# Allegro board SDHCalFEB_old.brd (continued)
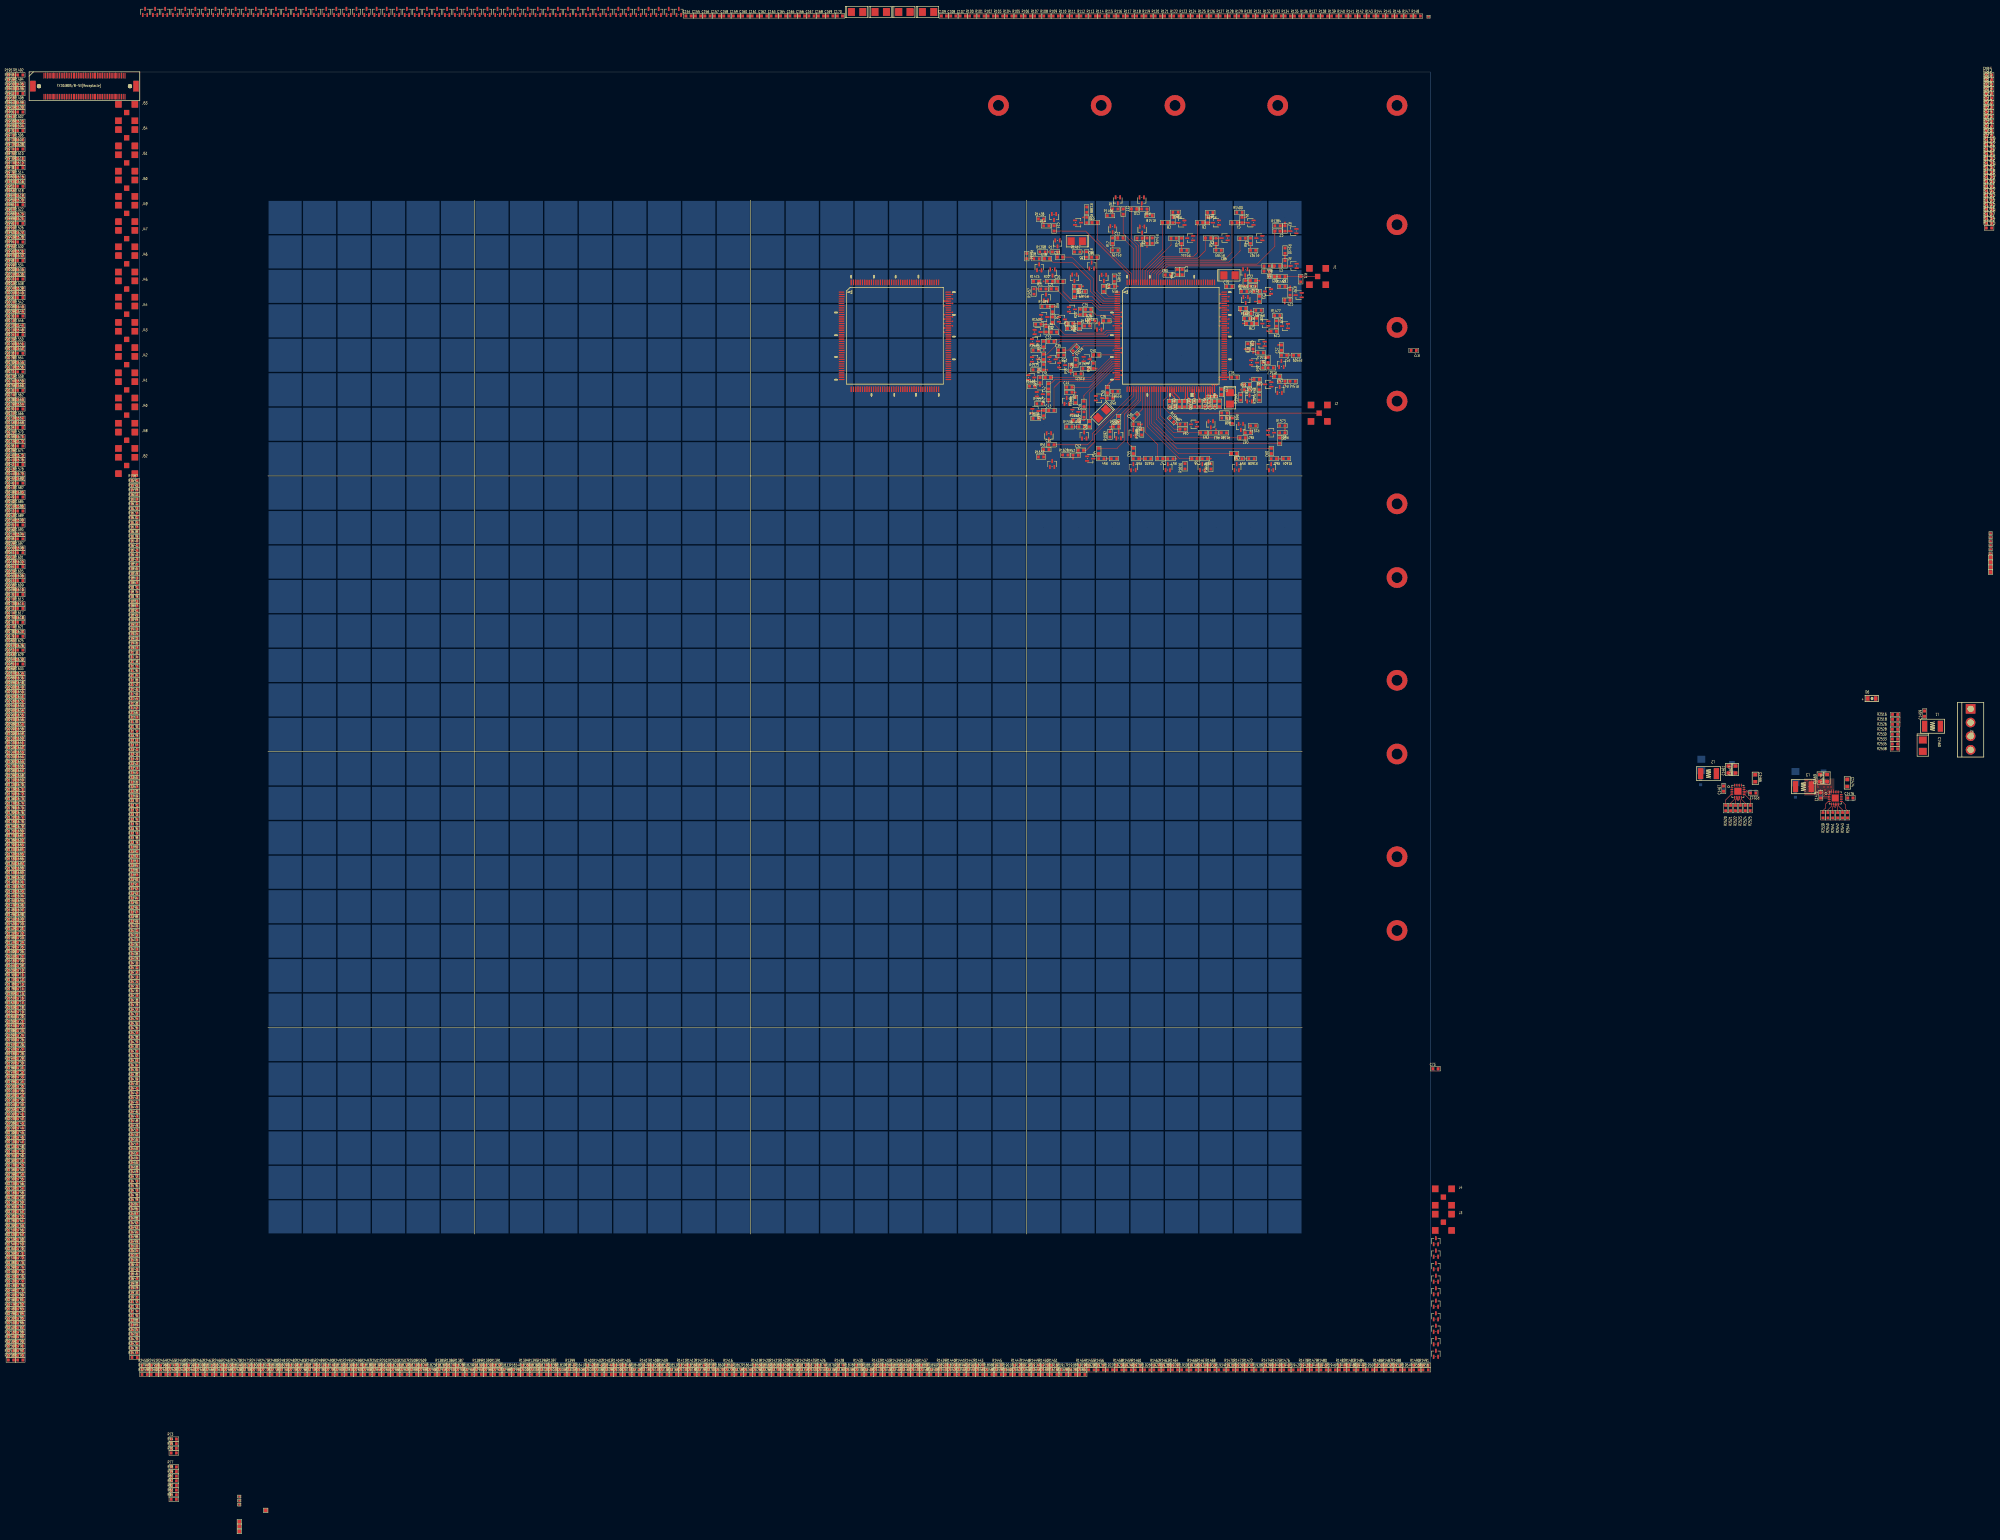
[diagram p0: board, top side]
## Placement (name value [footprint] x y rotation side) (continued)
R2256  1M  [SR0603]  -37.33 3.36 0 top
R2257  1M  [SR0603]  -37.33 2.01 0 top
R2258  1M  [SR0603]  -37.33 0.66 0 top
R2259  1M  [SR0603]  1.45 -3.53 0 top
R2260  1M  [SR0603]  4.14 -3.53 0 top
R2261  1M  [SR0603]  6.83 -3.53 0 top
R2262  1M  [SR0603]  9.53 -3.53 0 top
R2263  1M  [SR0603]  12.22 -3.53 0 top
R2264  1M  [SR0603]  14.91 -3.53 0 top
R2265  1M  [SR0603]  17.6 -3.53 0 top
R2266  1M  [SR0603]  20.29 -3.53 0 top
R2267  1M  [SR0603]  22.99 -3.53 0 top
R2268  1M  [SR0603]  25.68 -3.53 0 top
R2269  1M  [SR0603]  28.37 -3.53 0 top
R2270  1M  [SR0603]  31.06 -3.53 0 top
R2271  1M  [SR0603]  33.76 -3.53 0 top
R2272  1M  [SR0603]  36.45 -3.53 0 top
R2273  1M  [SR0603]  39.14 -3.53 0 top
R2274  1M  [SR0603]  41.83 -3.53 0 top
R2275  1M  [SR0603]  44.53 -3.53 0 top
R2276  1M  [SR0603]  47.22 -3.53 0 top
R2277  1M  [SR0603]  49.91 -3.53 0 top
R2278  1M  [SR0603]  52.6 -3.53 0 top
R2279  1M  [SR0603]  55.3 -3.53 0 top
R2280  1M  [SR0603]  57.99 -3.53 0 top
R2281  1M  [SR0603]  60.68 -3.53 0 top
R2282  1M  [SR0603]  63.37 -3.53 0 top
R2283  1M  [SR0603]  66.07 -3.53 0 top
R2284  1M  [SR0603]  68.76 -3.53 0 top
R2285  1M  [SR0603]  71.45 -3.53 0 top
R2286  1M  [SR0603]  74.14 -3.53 0 top
R2287  1M  [SR0603]  76.83 -3.53 0 top
R2288  1M  [SR0603]  79.53 -3.53 0 top
R2289  1M  [SR0603]  82.22 -3.53 0 top
R2290  1M  [SR0603]  84.91 -3.53 0 top
R2291  1M  [SR0603]  87.6 -3.53 0 top
R2292  1M  [SR0603]  90.3 -3.53 0 top
R2293  1M  [SR0603]  92.99 -3.53 0 top
R2294  1M  [SR0603]  95.68 -3.53 0 top
R2295  1M  [SR0603]  98.37 -3.53 0 top
R2296  1M  [SR0603]  101.07 -3.53 0 top
R2297  1M  [SR0603]  103.76 -3.53 0 top
R2298  1M  [SR0603]  106.45 -3.53 0 top
R2299  1M  [SR0603]  109.14 -3.53 0 top
R2300  1M  [SR0603]  111.84 -3.53 0 top
R2301  1M  [SR0603]  114.53 -3.53 0 top
R2302  1M  [SR0603]  117.22 -3.53 0 top
R2303  1M  [SR0603]  119.91 -3.53 0 top
R2304  1M  [SR0603]  122.61 -3.53 0 top
R2305  1M  [SR0603]  125.3 -3.53 0 top
R2306  1M  [SR0603]  127.99 -3.53 0 top
R2307  1M  [SR0603]  130.68 -3.53 0 top
R2308  1M  [SR0603]  133.38 -3.53 0 top
R2309  1M  [SR0603]  136.07 -3.53 0 top
R2310  1M  [SR0603]  138.76 -3.53 0 top
R2311  1M  [SR0603]  141.45 -3.53 0 top
R2312  1M  [SR0603]  144.15 -3.53 0 top
R2313  1M  [SR0603]  146.84 -3.53 0 top
R2314  1M  [SR0603]  149.53 -3.53 0 top
R2315  1M  [SR0603]  152.22 -3.53 0 top
R2316  1M  [SR0603]  154.91 -3.53 0 top
R2317  1M  [SR0603]  157.61 -3.53 0 top
R2318  1M  [SR0603]  160.3 -3.53 0 top
R2319  1M  [SR0603]  162.99 -3.53 0 top
R2320  1M  [SR0603]  165.68 -3.53 0 top
R2321  1M  [SR0603]  168.38 -3.53 0 top
R2322  1M  [SR0603]  171.07 -3.53 0 top
R2323  1M  [SR0603]  173.76 -3.53 0 top
R2324  1M  [SR0603]  176.45 -3.53 0 top
R2325  1M  [SR0603]  179.15 -3.53 0 top
R2326  1M  [SR0603]  181.84 -3.53 0 top
R2327  1M  [SR0603]  184.53 -3.53 0 top
R2328  1M  [SR0603]  187.22 -3.53 0 top
R2329  0  [SR0603]  -1.45 180.44 0 top
R2330  1M  [SR0603]  189.92 -3.53 0 top
R2331  1M  [SR0603]  192.61 -3.53 0 top
R2332  1M  [SR0603]  195.3 -3.53 0 top
R2333  0  [SR0603]  -1.45 179.1 0 top
R2334  1M  [SR0603]  197.99 -3.53 0 top
R2335  1M  [SR0603]  200.69 -3.53 0 top
R2336  1M  [SR0603]  203.38 -3.53 0 top
R2337  0  [SR0603]  -1.45 177.75 0 top
R2338  1M  [SR0603]  206.07 -3.53 0 top
R2339  1M  [SR0603]  208.76 -3.53 0 top
R2340  1M  [SR0603]  211.46 -3.53 0 top
R2341  0  [SR0603]  -1.45 176.4 0 top
R2342  1M  [SR0603]  214.15 -3.53 0 top
R2343  1M  [SR0603]  216.84 -3.53 0 top
R2344  1M  [SR0603]  219.53 -3.53 0 top
R2345  0  [SR0603]  -1.45 175.06 0 top
R2346  1M  [SR0603]  222.22 -3.53 0 top
R2347  1M  [SR0603]  224.92 -3.53 0 top
R2348  1M  [SR0603]  227.61 -3.53 0 top
R2349  0  [SR0603]  -1.45 173.71 0 top
R2350  1M  [SR0603]  230.3 -3.53 0 top
R2351  1M  [SR0603]  232.99 -3.53 0 top
R2352  1M  [SR0603]  235.69 -3.53 0 top
R2353  0  [SR0603]  -1.45 172.37 0 top
R2354  1M  [SR0603]  238.38 -3.53 0 top
R2355  1M  [SR0603]  241.07 -3.53 0 top
R2356  1M  [SR0603]  243.76 -3.53 0 top
R2357  0  [SR0603]  -1.45 171.02 0 top
R2358  1M  [SR0603]  246.46 -3.53 0 top
R2359  1M  [SR0603]  249.15 -3.53 0 top
R2360  1M  [SR0603]  251.84 -3.53 0 top
R2361  0  [SR0603]  -1.45 169.67 0 top
R2362  1M  [SR0603]  254.53 -3.53 0 top
R2363  1M  [SR0603]  257.23 -3.53 0 top
R2364  1M  [SR0603]  259.92 -3.53 0 top
R2365  0  [SR0603]  -1.45 168.33 0 top
R2366  0  [SR0603]  -1.45 166.98 0 top
R2367  0  [SR0603]  -1.45 165.64 0 top
R2368  0  [SR0603]  -1.45 164.29 0 top
R2369  0  [SR0603]  -1.45 162.94 0 top
R2370  0  [SR0603]  -1.45 161.6 0 top
R2371  0  [SR0603]  -1.45 160.25 0 top
R2372  0  [SR0603]  -1.45 158.9 0 top
R2373  0  [SR0603]  -1.45 157.56 0 top
R2374  0  [SR0603]  -1.45 156.21 0 top
R2375  0  [SR0603]  -1.45 154.87 0 top
R2376  0  [SR0603]  -1.45 153.52 0 top
R2377  0  [SR0603]  -1.45 152.17 0 top
R2378  0  [SR0603]  -1.45 150.83 0 top
R2379  0  [SR0603]  -1.45 149.48 0 top
R2380  0  [SR0603]  -1.45 148.13 0 top
R2381  0  [SR0603]  -1.45 146.79 0 top
R2382  0  [SR0603]  -1.45 145.44 0 top
R2383  0  [SR0603]  -1.45 144.1 0 top
R2384  0  [SR0603]  -1.45 142.75 0 top
R2385  0  [SR0603]  273.38 -3.53 0 top
R2386  0  [SR0603]  -1.45 141.4 0 top
R2387  0  [SR0603]  -1.45 140.06 0 top
R2388  x  [SR0603]  -1.45 10.82 0 top
R2389  x  [SR0603]  -1.45 9.48 0 top
R2390  0  [SR0603]  -1.45 138.71 0 top
R2391  0  [SR0603]  -1.45 137.36 0 top
R2392  0  [SR0603]  -1.45 136.02 0 top
R2393  0  [SR0603]  -1.45 134.67 0 top
R2394  0  [SR0603]  -1.45 133.33 0 top
R2395  0  [SR0603]  -1.45 131.98 0 top
R2396  0  [SR0603]  -1.45 130.63 0 top
R2397  0  [SR0603]  -1.45 129.29 0 top
R2398  0  [SR0603]  -1.45 127.94 0 top
R2399  0  [SR0603]  -1.45 126.6 0 top
R2400  0  [SR0603]  -1.45 125.25 0 top
R2401  0  [SR0603]  -1.45 123.9 0 top
R2402  0  [SR0603]  -1.45 122.56 0 top
R2403  0  [SR0603]  -1.45 121.21 0 top
R2404  x  [SR0603]  -1.45 8.13 0 top
R2405  x  [SR0603]  -1.45 6.78 0 top
R2406  0  [SR0603]  -1.45 119.86 0 top
R2407  0  [SR0603]  -1.45 118.52 0 top
R2408  0  [SR0603]  -1.45 117.17 0 top
R2409  0  [SR0603]  -1.45 115.83 0 top
R2410  0  [SR0603]  -1.45 114.48 0 top
R2411  0  [SR0603]  -1.45 113.13 0 top
R2412  0  [SR0603]  -1.45 111.79 0 top
R2413  0  [SR0603]  -1.45 110.44 0 top
R2414  0  [SR0603]  -1.45 109.09 0 top
R2415  0  [SR0603]  -1.45 107.75 0 top
R2416  0  [SR0603]  -1.45 106.4 0 top
R2417  0  [SR0603]  -1.45 105.06 0 top
R2418  0  [SR0603]  -1.45 103.71 0 top
R2419  0  [SR0603]  -1.45 102.36 0 top
R2420  x  [SR0603]  -1.45 5.44 0 top
R2421  x  [SR0603]  -1.45 4.09 0 top
R2422  0  [SR0603]  -1.45 101.02 0 top
R2423  0  [SR0603]  -1.45 99.67 0 top
R2424  0  [SR0603]  -1.45 98.33 0 top
R2425  0  [SR0603]  -1.45 96.98 0 top
R2426  0  [SR0603]  -1.45 95.63 0 top
R2427  0  [SR0603]  -1.45 94.29 0 top
R2428  0  [SR0603]  -1.45 92.94 0 top
R2429  0  [SR0603]  -1.45 91.59 0 top
R2430  0  [SR0603]  -1.45 90.25 0 top
R2431  0  [SR0603]  -1.45 88.9 0 top
R2432  0  [SR0603]  -1.45 87.56 0 top
R2433  0  [SR0603]  -1.45 86.21 0 top
R2434  0  [SR0603]  -1.45 84.86 0 top
R2435  0  [SR0603]  -1.45 83.52 0 top
R2436  x  [SR0603]  -1.45 2.74 0 top
R2437  x  [SR0603]  -1.45 1.4 0 top
R2438  0  [SR0603]  -1.45 82.17 0 top
R2439  0  [SR0603]  -1.45 80.82 0 top
R2440  0  [SR0603]  -1.45 79.48 0 top
R2441  0  [SR0603]  -1.45 78.13 0 top
R2442  0  [SR0603]  -1.45 76.79 0 top
R2443  0  [SR0603]  -1.45 75.44 0 top
R2444  0  [SR0603]  -1.45 74.09 0 top
R2445  0  [SR0603]  -1.45 72.75 0 top
R2446  0  [SR0603]  -1.45 71.4 0 top
R2447  0  [SR0603]  -1.45 70.05 0 top
R2448  0  [SR0603]  -1.45 68.71 0 top
R2449  0  [SR0603]  -1.45 67.36 0 top
R2450  x  [SR0603]  1.45 -0.84 0 top
R2451  x  [SR0603]  4.14 -0.84 0 top
R2452  0  [SR0603]  -1.45 66.02 0 top
R2453  0  [SR0603]  -1.45 64.67 0 top
R2454  x  [SR0603]  6.83 -0.84 0 top
R2455  x  [SR0603]  9.53 -0.84 0 top
R2456  0  [SR0603]  -1.45 63.32 0 top
R2457  0  [SR0603]  -1.45 61.98 0 top
R2458  x  [SR0603]  12.22 -0.84 0 top
R2459  x  [SR0603]  14.91 -0.84 0 top
R2460  0  [SR0603]  -1.45 60.63 0 top
R2461  0  [SR0603]  -1.45 59.29 0 top
R2462  x  [SR0603]  17.6 -0.84 0 top
R2463  x  [SR0603]  20.29 -0.84 0 top
R2464  0  [SR0603]  -1.45 57.94 0 top
R2465  0  [SR0603]  -1.45 56.59 0 top
R2466  x  [SR0603]  22.99 -0.84 0 top
R2467  x  [SR0603]  25.68 -0.84 0 top
R2468  0  [SR0603]  -1.45 55.25 0 top
R2469  0  [SR0603]  -1.45 53.9 0 top
R2470  x  [SR0603]  28.37 -0.84 0 top
R2471  x  [SR0603]  31.06 -0.84 0 top
R2472  0  [SR0603]  -1.45 52.55 0 top
R2473  0  [SR0603]  -1.45 51.21 0 top
R2474  x  [SR0603]  33.76 -0.84 0 top
R2475  x  [SR0603]  36.45 -0.84 0 top
R2476  0  [SR0603]  -1.45 49.86 0 top
R2477  0  [SR0603]  -1.45 48.52 0 top
R2478  0  [SR0603]  -1.45 47.17 0 top
R2479  0  [SR0603]  -1.45 45.82 0 top
R2480  x  [SR0603]  39.14 -0.84 0 top
R2481  x  [SR0603]  41.83 -0.84 0 top
R2482  x  [SR0603]  44.53 -0.84 0 top
R2483  x  [SR0603]  47.22 -0.84 0 top
R2484  0  [SR0603]  -1.45 44.48 0 top
R2485  x  [SR0603]  49.91 -0.84 0 top
R2486  0  [SR0603]  -1.45 43.13 0 top
R2487  0  [SR0603]  -1.45 41.78 0 top
R2488  0  [SR0603]  -1.45 40.44 0 top
R2489  x  [SR0603]  52.6 -0.84 0 top
R2490  x  [SR0603]  55.3 -0.84 0 top
R2491  x  [SR0603]  57.99 -0.84 0 top
R2492  0  [SR0603]  -1.45 39.09 0 top
R2493  0  [SR0603]  -1.45 37.75 0 top
R2494  0  [SR0603]  -1.45 36.4 0 top
R2495  x  [SR0603]  60.68 -0.84 0 top
R2496  x  [SR0603]  63.37 -0.84 0 top
R2497  x  [SR0603]  66.07 -0.84 0 top
R2498  0  [SR0603]  -1.45 35.05 0 top
R2499  0  [SR0603]  -1.45 33.71 0 top
R2500  0  [SR0603]  -1.45 32.36 0 top
R2501  x  [SR0603]  68.76 -0.84 0 top
R2502  x  [SR0603]  71.45 -0.84 0 top
R2503  x  [SR0603]  74.14 -0.84 0 top
R2504  0  [SR0603]  -1.45 31.02 0 top
R2505  0  [SR0603]  -1.45 29.67 0 top
R2506  0  [SR0603]  -1.45 28.32 0 top
R2507  x  [SR0603]  76.83 -0.84 0 top
R2508  x  [SR0603]  79.53 -0.84 0 top
R2509  x  [SR0603]  82.22 -0.84 0 top
R2512  1.5k  [SR0603]  502.01 192.61 0 bottom
R2513  x  [SR0603]  468 165.2 180 top
R2514  0  [SR0603]  509.12 187.93 0 bottom
R2515  0  [SR0603]  459.44 166.98 270 bottom
R2516  x  [SR0603]  509.19 187.99 0 top
R2517  0  [SR0603]  509.13 185.09 0 bottom
R2518  x  [SR0603]  509.19 186.56 0 top
R2519  0  [SR0603]  509.13 186.51 0 bottom
R2520  x  [SR0603]  460.02 160.83 90 top
R2521  0  [SR0603]  461.44 160.83 90 top
R2522  x  [SR0603]  462.86 160.83 90 top
R2523  x  [SR0603]  464.29 160.83 90 top
R2524  0  [SR0603]  465.71 160.83 90 top
R2525  0  [SR0603]  467.13 160.83 90 top
R2526  x  [SR0603]  509.19 185.12 0 top
R2527  0  [SR0603]  509.13 183.67 0 bottom
R2528  x  [SR0603]  509.14 183.67 0 top
R2529  0  [SR0603]  509.13 182.25 0 bottom
R2530  x  [SR0603]  509.14 182.25 0 top
R2531  x  [SR0603]  496.19 163.25 180 bottom
R2532  0  [SR0603]  509.13 180.82 0 bottom
R2533  x  [SR0603]  509.14 180.82 0 top
R2534  0  [SR0603]  509.13 179.4 0 bottom
R2535  x  [SR0603]  509.14 179.4 0 top
R2536  0  [SR0603]  487.58 165.02 270 bottom
R2537  0  [SR0603]  509.13 177.98 0 bottom
R2538  x  [SR0603]  509.14 177.98 0 top
R2539  x  [SR0603]  488.24 158.75 90 top
R2540  0  [SR0603]  489.66 158.75 90 top
R2541  x  [SR0603]  491.08 158.75 90 top
R2542  x  [SR0603]  492.51 158.75 90 top
R2543  0  [SR0603]  493.93 158.75 90 top
R2544  0  [SR0603]  495.35 158.75 90 top
TP1  Test Pad Gnd  [TESTPADGND]  28.92 -49.06 0 top
TP2  Test Pad Gnd  [TESTPADGND]  28.92 -47.63 0 top
TP3  Test Pad  [TESTPAD]  28.92 -41.28 0 top
TP4  Test Pad  [TESTPAD]  28.92 -40.12 0 top
TP5  Test Pad  [TESTPAD]  28.92 -38.95 0 top
TP6  Test Pad Gnd  [TESTPADGND]  28.92 -46.21 0 top
TP7  Test Pad Gnd  [TESTPADGND]  36.58 -42.95 0 top
TP8  Test Pad  [TESTPAD]  312.2 280.23 0 top
TP9  Test Pad  [TESTPAD]  311.11 280.23 0 top
TP10  Test Pad  [TESTPAD]  310.03 280.24 0 top
TP11  Test Pad  [TESTPAD]  305.27 280.66 0 top
TP12  Test Pad Gnd  [TESTPADGND]  536.85 229.3 0 top
TP13  Test Pad Gnd  [TESTPADGND]  536.85 230.72 0 top
TP14  Test Pad  [TESTPAD]  536.85 234.74 0 top
TP15  Test Pad  [TESTPAD]  536.85 235.91 0 top
TP16  Test Pad  [TESTPAD]  536.85 237.07 0 top
TP17  Test Pad  [TESTPAD]  536.85 238.24 0 top
TP18  Test Pad  [TESTPAD]  536.85 239.41 0 top
TP19  Test Pad  [TESTPAD]  536.85 240.58 0 top
TP20  Test Pad  [TESTPAD]  373.84 390.45 0 top
TP21  Test Pad Gnd  [TESTPADGND]  536.85 232.15 0 top
TP22  Test Pad Gnd  [TESTPADGND]  536.85 233.57 0 top
U1  BAV99W SOT323  [BAV99W_SOT323]  334.71 318.13 90 top
U2  BAV99W SOT323  [BAV99W_SOT323]  334.64 328.24 90 top
U3  BAV99W SOT323  [BAV99W_SOT323]  324.76 326.2 90 top
U4  BAV99W SOT323  [BAV99W_SOT323]  322.22 330.67 90 top
U5  BAV99W SOT323  [BAV99W_SOT323]  314.72 326.2 90 top
U6  BAV99W SOT323  [BAV99W_SOT323]  312.18 330.67 90 top
U7  BAV99W SOT323  [BAV99W_SOT323]  304.72 326.18 90 top
U8  BAV99W SOT323  [BAV99W_SOT323]  302.15 330.66 90 top
U9  BAV99W SOT323  [BAV99W_SOT323]  290.79 328.64 180 top
U10  BAV99W SOT323  [BAV99W_SOT323]  290.66 337.15 180 top
U11  BAV99W SOT323  [BAV99W_SOT323]  283.73 337.18 180 top
U12  BAV99W SOT323  [BAV99W_SOT323]  282.2 328.77 180 top
U13  BAV99W SOT323  [BAV99W_SOT323]  272.19 330.69 270 top
U14  BAV99W SOT323  [BAV99W_SOT323]  265.21 332.33 180 top
U15  BAV99W SOT323  [BAV99W_SOT323]  279.66 314.67 180 top
U16  BAV99W SOT323  [BAV99W_SOT323]  276.14 318.24 0 top
U17  BAV99W SOT323  [BAV99W_SOT323]  266.23 324.68 180 top
U18  BAV99W SOT323  [BAV99W_SOT323]  260.93 317.74 0 top
U19  BAV99W SOT323  [BAV99W_SOT323]  271.13 314.7 180 top
U20  BAV99W SOT323  [BAV99W_SOT323]  264.78 316.22 180 top
U21  BAV99W SOT323  [BAV99W_SOT323]  262.88 308.97 0 top
U22  BAV99W SOT323  [BAV99W_SOT323]  320.68 316.3 180 top
U23  BAV99W SOT323  [BAV99W_SOT323]  327.27 310.71 90 top
U24  BAV99W SOT323  [BAV99W_SOT323]  336.19 309.67 90 top
U25  BAV99W SOT323  [BAV99W_SOT323]  270.42 305.55 270 top
U26  BAV99W SOT323  [BAV99W_SOT323]  278.33 300.51 0 top
U27  BAV99W SOT323  [BAV99W_SOT323]  320.81 308.25 180 top
U28  BAV99W SOT323  [BAV99W_SOT323]  326.51 301.41 90 top
U29  BAV99W SOT323  [BAV99W_SOT323]  332.2 300.68 90 top
U30  BAV99W SOT323  [BAV99W_SOT323]  267.5 302.6 270 top
U31  BAV99W SOT323  [BAV99W_SOT323]  262.34 303.31 270 top
U32  BAV99W SOT323  [BAV99W_SOT323]  260.46 298.97 270 top
U33  BAV99W SOT323  [BAV99W_SOT323]  259.7 296.22 270 top
U34  BAV99W SOT323  [BAV99W_SOT323]  259.72 290.99 270 top
U35  BAV99W SOT323  [BAV99W_SOT323]  264.78 290.99 270 top
U36  BAV99W SOT323  [BAV99W_SOT323]  267.57 289.31 270 top
U37  BAV99W SOT323  [BAV99W_SOT323]  331.18 289.7 0 top
U38  BAV99W SOT323  [BAV99W_SOT323]  325.44 295.52 90 top
U39  BAV99W SOT323  [BAV99W_SOT323]  323.27 290.09 270 top
U40  BAV99W SOT323  [BAV99W_SOT323]  274.68 291.09 270 top
U41  BAV99W SOT323  [BAV99W_SOT323]  258.66 285.76 270 top
U42  BAV99W SOT323  [BAV99W_SOT323]  261.09 280.91 270 top
U43  BAV99W SOT323  [BAV99W_SOT323]  259.8 276.03 270 top
U44  BAV99W SOT323  [BAV99W_SOT323]  268.9 278.98 0 top
U45  BAV99W SOT323  [BAV99W_SOT323]  271.41 275.8 270 top
U46  BAV99W SOT323  [BAV99W_SOT323]  273.98 268.94 0 top
U47  BAV99W SOT323  [BAV99W_SOT323]  330.67 282.15 0 top
U48  BAV99W SOT323  [BAV99W_SOT323]  327.35 283.73 90 top
U49  BAV99W SOT323  [BAV99W_SOT323]  321.91 279.71 0 top
U50  BAV99W SOT323  [BAV99W_SOT323]  278.24 279.74 270 top
U51  BAV99W SOT323  [BAV99W_SOT323]  263.71 268.7 180 top
U52  BAV99W SOT323  [BAV99W_SOT323]  264.66 260.66 0 top
U53  BAV99W SOT323  [BAV99W_SOT323]  283.96 268.99 0 top
U54  BAV99W SOT323  [BAV99W_SOT323]  275.7 262.21 270 top
U55  BAV99W SOT323  [BAV99W_SOT323]  288.23 259.72 0 top
U56  BAV99W SOT323  [BAV99W_SOT323]  288.21 269.71 0 top
U57  BAV99W SOT323  [BAV99W_SOT323]  298.21 259.72 0 top
U58  BAV99W SOT323  [BAV99W_SOT323]  308.22 259.72 0 top
U59  BAV99W SOT323  [BAV99W_SOT323]  318.2 259.72 0 top
U60  BAV99W SOT323  [BAV99W_SOT323]  328.21 259.72 0 top
U61  BAV99W SOT323  [BAV99W_SOT323]  328.18 269.73 270 top
U62  BAV99W SOT323  [BAV99W_SOT323]  319.39 271.42 180 top
U63  BAV99W SOT323  [BAV99W_SOT323]  310.68 272.18 180 top
U64  BAV99W SOT323  [BAV99W_SOT323]  305.76 272.18 90 top
U65  MICROROC  [CQFP160Z0650]  283.59 310.52 270 top
U66  BAV99W SOT323  [BAV99W_SOT323]  36.61 391.83 0 top
U67  BAV99W SOT323  [BAV99W_SOT323]  33.69 391.83 0 top
U68  BAV99W SOT323  [BAV99W_SOT323]  30.77 391.83 0 top
U69  BAV99W SOT323  [BAV99W_SOT323]  27.85 391.83 0 top
U70  BAV99W SOT323  [BAV99W_SOT323]  24.93 391.83 0 top
U71  BAV99W SOT323  [BAV99W_SOT323]  22.01 391.83 0 top
U72  BAV99W SOT323  [BAV99W_SOT323]  19.09 391.83 0 top
U73  BAV99W SOT323  [BAV99W_SOT323]  16.17 391.83 0 top
U74  BAV99W SOT323  [BAV99W_SOT323]  13.25 391.83 0 top
U75  BAV99W SOT323  [BAV99W_SOT323]  10.33 391.83 0 top
U76  BAV99W SOT323  [BAV99W_SOT323]  7.4 391.83 0 top
U77  BAV99W SOT323  [BAV99W_SOT323]  4.48 391.83 0 top
U78  BAV99W SOT323  [BAV99W_SOT323]  1.56 391.83 0 top
U79  BAV99W SOT323  [BAV99W_SOT323]  375.96 2.46 0 top
U80  BAV99W SOT323  [BAV99W_SOT323]  375.96 6.1 0 top
U81  BAV99W SOT323  [BAV99W_SOT323]  375.96 9.73 0 top
U82  BAV99W SOT323  [BAV99W_SOT323]  375.96 13.36 0 top
U83  BAV99W SOT323  [BAV99W_SOT323]  375.96 16.99 0 top
U84  BAV99W SOT323  [BAV99W_SOT323]  375.96 20.62 0 top
U85  BAV99W SOT323  [BAV99W_SOT323]  375.96 24.26 0 top
U86  BAV99W SOT323  [BAV99W_SOT323]  375.96 27.89 0 top
U87  BAV99W SOT323  [BAV99W_SOT323]  375.96 31.52 0 top
U88  BAV99W SOT323  [BAV99W_SOT323]  375.96 35.15 0 top
U89  BAV99W SOT323  [BAV99W_SOT323]  127.17 391.83 0 top
U90  BAV99W SOT323  [BAV99W_SOT323]  130.09 391.83 0 top
U91  BAV99W SOT323  [BAV99W_SOT323]  133.01 391.83 0 top
U92  BAV99W SOT323  [BAV99W_SOT323]  135.93 391.83 0 top
U93  BAV99W SOT323  [BAV99W_SOT323]  138.85 391.83 0 top
U94  BAV99W SOT323  [BAV99W_SOT323]  141.77 391.83 0 top
U95  BAV99W SOT323  [BAV99W_SOT323]  144.69 391.83 0 top
U96  BAV99W SOT323  [BAV99W_SOT323]  147.61 391.83 0 top
U97  BAV99W SOT323  [BAV99W_SOT323]  150.53 391.83 0 top
U98  BAV99W SOT323  [BAV99W_SOT323]  153.45 391.83 0 top
U99  BAV99W SOT323  [BAV99W_SOT323]  156.38 391.83 0 top
U100  BAV99W SOT323  [BAV99W_SOT323]  124.24 391.83 0 top
U101  BAV99W SOT323  [BAV99W_SOT323]  121.32 391.83 0 top
U102  BAV99W SOT323  [BAV99W_SOT323]  118.4 391.83 0 top
U103  BAV99W SOT323  [BAV99W_SOT323]  115.48 391.83 0 top
U104  BAV99W SOT323  [BAV99W_SOT323]  112.56 391.83 0 top
U105  BAV99W SOT323  [BAV99W_SOT323]  109.64 391.83 0 top
U106  BAV99W SOT323  [BAV99W_SOT323]  106.72 391.83 0 top
U107  BAV99W SOT323  [BAV99W_SOT323]  103.8 391.83 0 top
U108  BAV99W SOT323  [BAV99W_SOT323]  100.88 391.83 0 top
U109  BAV99W SOT323  [BAV99W_SOT323]  97.96 391.83 0 top
U110  BAV99W SOT323  [BAV99W_SOT323]  95.03 391.83 0 top
U111  BAV99W SOT323  [BAV99W_SOT323]  92.11 391.83 0 top
U112  BAV99W SOT323  [BAV99W_SOT323]  89.19 391.83 0 top
U113  BAV99W SOT323  [BAV99W_SOT323]  86.27 391.83 0 top
U114  BAV99W SOT323  [BAV99W_SOT323]  83.35 391.83 0 top
U115  BAV99W SOT323  [BAV99W_SOT323]  80.43 391.83 0 top
U116  BAV99W SOT323  [BAV99W_SOT323]  77.51 391.83 0 top
U117  BAV99W SOT323  [BAV99W_SOT323]  74.59 391.83 0 top
U118  BAV99W SOT323  [BAV99W_SOT323]  71.67 391.83 0 top
U119  BAV99W SOT323  [BAV99W_SOT323]  68.75 391.83 0 top
U120  BAV99W SOT323  [BAV99W_SOT323]  65.82 391.83 0 top
U121  BAV99W SOT323  [BAV99W_SOT323]  62.9 391.83 0 top
U122  BAV99W SOT323  [BAV99W_SOT323]  59.98 391.83 0 top
U123  BAV99W SOT323  [BAV99W_SOT323]  57.06 391.83 0 top
U124  BAV99W SOT323  [BAV99W_SOT323]  54.14 391.83 0 top
U125  BAV99W SOT323  [BAV99W_SOT323]  51.22 391.83 0 top
U126  BAV99W SOT323  [BAV99W_SOT323]  48.3 391.83 0 top
U127  BAV99W SOT323  [BAV99W_SOT323]  45.38 391.83 0 top
U128  BAV99W SOT323  [BAV99W_SOT323]  42.46 391.83 0 top
U129  BAV99W SOT323  [BAV99W_SOT323]  39.54 391.83 0 top
U130  MICROROC  [CQFP160Z0650]  203.58 310.52 270 top
U1075  FX10A-80P-8-SV-Receptacle  [FX10A-80S8-SV-RECEPTACLE]  -31.75 366.45 0 top
U1076  -  [TPS7A85]  463.58 165.71 0 top
U1077  -  [TPS7A85]  491.79 163.75 0 top

## Library data of the parts
C1-C83 C107-C109 C154-C170 C1459 C1464 C1467 C1468 C1472 C1475 C1476 = Capacitor np
C84-C87 C171-C174 C1460 C1465 C1473 = Capacitor pol
C1461-C1463 C1469-C1471 = CAP NP
C1466 C1474 = C
D6 = LED
J1-J4 J40-J54 = LEMO
J55 = 4 HEADER
L1-L3 = Inductor
P1 = Pad30x30V2
R1-R167 R1384-R2509 R2512-R2544 = Resistor
TP1 TP2 TP6 TP7 TP12 TP13 TP21 TP22 = TestPadGnd
TP3-TP5 TP8-TP11 TP14-TP20 = TestPad
U1-U64 U66-U129 = BAV99W_SOT323
U65 U130 = MICROROC
U1075 = FX10A-80P-8-SV-Receptacle
U1076 U1077 = TPS7A85_0

## Footprints (pads in the part's own frame, mm; a bottom-side part is the same pattern mirrored in y, then rotated)
BAV99W_SOT323
  rect 0.457x1.168 smd: 1(-0.65,-0.876) 2(0.65,-0.876) 3(0,0.876)
CQFP160Z0650
  rect 0.33x1.6 smd: 1(0,0) 2(0.65,0) 3(1.3,0) 4(1.95,0) 5(2.6,0) 6(3.25,0) 7(3.9,0) 8(4.55,0) 9(5.2,0) 10(5.85,0) 11(6.5,0) 12(7.15,0) 13(7.8,0) 14(8.45,0) 15(9.1,0) 16(9.75,0) 17(10.4,0) 18(11.05,0) 19(11.7,0) 20(12.35,0) 21(13,0) 22(13.65,0) 23(14.3,0) 24(14.95,0) 25(15.6,0) 26(16.25,0) 27(16.9,0) 28(17.55,0) 29(18.2,0) 30(18.85,0) 31(19.5,0) 32(20.15,0) 33(20.8,0) 34(21.45,0) 35(22.1,0) 36(22.75,0) 37(23.4,0) 38(24.05,0) 39(24.7,0) 40(25.35,0) 81(25.35,31) 82(24.7,31) 83(24.05,31) 84(23.4,31) 85(22.75,31) 86(22.1,31) 87(21.45,31) 88(20.8,31) 89(20.15,31) 90(19.5,31) 91(18.85,31) 92(18.2,31) 93(17.55,31) 94(16.9,31) 95(16.25,31) 96(15.6,31) 97(14.95,31) 98(14.3,31) 99(13.65,31) 100(13,31) 101(12.35,31) 102(11.7,31) 103(11.05,31) 104(10.4,31) 105(9.75,31) 106(9.1,31) 107(8.45,31) 108(7.8,31) 109(7.15,31) 110(6.5,31) 111(5.85,31) 112(5.2,31) 113(4.55,31) 114(3.9,31) 115(3.25,31) 116(2.6,31) 117(1.95,31) 118(1.3,31) 119(0.65,31) 120(0,31)
  rect 1.6x0.33 smd: 41(28.175,2.825) 42(28.175,3.475) 43(28.175,4.125) 44(28.175,4.775) 45(28.175,5.425) 46(28.175,6.075) 47(28.175,6.725) 48(28.175,7.375) 49(28.175,8.025) 50(28.175,8.675) 51(28.175,9.325) 52(28.175,9.975) 53(28.175,10.625) 54(28.175,11.275) 55(28.175,11.925) 56(28.175,12.575) 57(28.175,13.225) 58(28.175,13.875) 59(28.175,14.525) 60(28.175,15.175) 61(28.175,15.825) 62(28.175,16.475) 63(28.175,17.125) 64(28.175,17.775) 65(28.175,18.425) 66(28.175,19.075) 67(28.175,19.725) 68(28.175,20.375) 69(28.175,21.025) 70(28.175,21.675) 71(28.175,22.325) 72(28.175,22.975) 73(28.175,23.625) 74(28.175,24.275) 75(28.175,24.925) 76(28.175,25.575) 77(28.175,26.225) 78(28.175,26.875) 79(28.175,27.525) 80(28.175,28.175) 121(-2.825,28.175) 122(-2.825,27.525) 123(-2.825,26.875) 124(-2.825,26.225) 125(-2.825,25.575) 126(-2.825,24.925) 127(-2.825,24.275) 128(-2.825,23.625) 129(-2.825,22.975) 130(-2.825,22.325) 131(-2.825,21.675) 132(-2.825,21.025) 133(-2.825,20.375) 134(-2.825,19.725) 135(-2.825,19.075) 136(-2.825,18.425) 137(-2.825,17.775) 138(-2.825,17.125) 139(-2.825,16.475) 140(-2.825,15.825) 141(-2.825,15.175) 142(-2.825,14.525) 143(-2.825,13.875) 144(-2.825,13.225) 145(-2.825,12.575) 146(-2.825,11.925) 147(-2.825,11.275) 148(-2.825,10.625) 149(-2.825,9.975) 150(-2.825,9.325) 151(-2.825,8.675) 152(-2.825,8.025) 153(-2.825,7.375) 154(-2.825,6.725) 155(-2.825,6.075) 156(-2.825,5.425) 157(-2.825,4.775) 158(-2.825,4.125) 159(-2.825,3.475) 160(-2.825,2.825)
FX10A-80S8-SV-RECEPTACLE
  round 1.2 hole 1.2 unplated: (2.55,3.85) (28.95,3.85)
  rect 0.3x1.6 smd: 1(4,0.8) 2(4,6.9) 3(4.5,0.8) 4(4.5,6.9) 5(5,0.8) 6(5,6.9) 7(5.5,0.8) 8(5.5,6.9) 9(6,0.8) 10(6,6.9) 13(7.5,0.8) 14(7.5,6.9) 15(8,0.8) 16(8,6.9) 17(8.5,0.8) 18(8.5,6.9) 19(9,0.8) 20(9,6.9) 21(9.5,0.8) 22(9.5,6.9) 23(10,0.8) 24(10,6.9) 25(10.5,0.8) 26(10.5,6.9) 27(11,0.8) 28(11,6.9) 29(11.5,0.8) 30(11.5,6.9) 31(12,0.8) 32(12,6.9) 35(13.5,0.8) 36(13.5,6.9) 37(14,0.8) 38(14,6.9) 39(14.5,0.8) 40(14.5,6.9) 41(15,0.8) 42(15,6.9) 43(15.5,0.8) 44(15.5,6.9) 45(16,0.8) 46(16,6.9) 47(16.5,0.8) 48(16.5,6.9) 49(17,0.8) 50(17,6.9) 51(17.5,0.8) 52(17.5,6.9) 53(18,0.8) 54(18,6.9) 57(19.5,0.8) 58(19.5,6.9) 59(20,0.8) 60(20,6.9) 61(20.5,0.8) 62(20.5,6.9) 63(21,0.8) 64(21,6.9) 65(21.5,0.8) 66(21.5,6.9) 67(22,0.8) 68(22,6.9) 69(22.5,0.8) 70(22.5,6.9) 71(23,0.8) 72(23,6.9) 73(23.5,0.8) 74(23.5,6.9) 75(24,0.8) 76(24,6.9) 79(25.5,0.8) 80(25.5,6.9) 81(26,0.8) 82(26,6.9) 83(26.5,0.8) 84(26.5,6.9) 85(27,0.8) 86(27,6.9) 87(27.5,0.8) 88(27.5,6.9)
  rect 0.7x1.6 smd: 11(6.75,0.8) 12(6.75,6.9) 33(12.75,0.8) 34(12.75,6.9) 55(18.75,0.8) 56(18.75,6.9) 77(24.75,0.8) 78(24.75,6.9)
  rect 1.6x3.1 smd: B1(0.8,3.85) B2(30.7,3.85)
PADREADOUTARRAY1V1
  rect 9.6x9.6 smd: A1(5,295) A2(15,295) A3(25,295) A4(35,295) A5(45,295) A6(55,295) A7(65,295) A8(75,295) A9(85,295) A10(95,295) A11(105,295) A12(115,295) A13(125,295) A14(135,295) A15(145,295) A16(155,295) A17(165,295) A18(175,295) A19(185,295) A20(195,295) A21(205,295) A22(215,295) A23(225,295) A24(235,295) A25(245,295) A26(255,295) A27(265,295) A28(275,295) A29(285,295) A30(295,295) AA1(5,65) AA2(15,65) AA3(25,65) AA4(35,65) AA5(45,65) AA6(55,65) AA7(65,65) AA8(75,65) AA9(85,65) AA10(95,65) AA11(105,65) AA12(115,65) AA13(125,65) AA14(135,65) AA15(145,65) AA16(155,65) AA17(165,65) AA18(175,65) AA19(185,65) AA20(195,65) AA21(205,65) AA22(215,65) AA23(225,65) AA24(235,65) AA25(245,65) AA26(255,65) AA27(265,65) AA28(275,65) AA29(285,65) AA30(295,65) AB1(5,55) AB2(15,55) AB3(25,55) AB4(35,55) AB5(45,55) AB6(55,55) AB7(65,55) AB8(75,55) AB9(85,55) AB10(95,55) AB11(105,55) AB12(115,55) AB13(125,55) AB14(135,55) AB15(145,55) AB16(155,55) AB17(165,55) AB18(175,55) AB19(185,55) AB20(195,55) AB21(205,55) AB22(215,55) AB23(225,55) AB24(235,55) AB25(245,55) AB26(255,55) AB27(265,55) AB28(275,55) AB29(285,55) AB30(295,55) AC1(5,45) AC2(15,45) AC3(25,45) AC4(35,45) AC5(45,45) AC6(55,45) AC7(65,45) AC8(75,45) AC9(85,45) AC10(95,45) AC11(105,45) AC12(115,45) AC13(125,45) AC14(135,45) AC15(145,45) AC16(155,45) AC17(165,45) AC18(175,45) AC19(185,45) AC20(195,45) AC21(205,45) AC22(215,45) AC23(225,45) AC24(235,45) AC25(245,45) AC26(255,45) AC27(265,45) AC28(275,45) AC29(285,45) AC30(295,45) AD1(5,35) AD2(15,35) AD3(25,35) AD4(35,35) AD5(45,35) AD6(55,35) AD7(65,35) AD8(75,35) AD9(85,35) AD10(95,35) AD11(105,35) AD12(115,35) AD13(125,35) AD14(135,35) AD15(145,35) AD16(155,35) AD17(165,35) AD18(175,35) AD19(185,35) AD20(195,35) AD21(205,35) AD22(215,35) AD23(225,35) AD24(235,35) AD25(245,35) AD26(255,35) AD27(265,35) AD28(275,35) AD29(285,35) AD30(295,35) AE1(5,25) AE2(15,25) AE3(25,25) AE4(35,25) AE5(45,25) AE6(55,25) AE7(65,25) AE8(75,25) AE9(85,25) AE10(95,25) AE11(105,25) AE12(115,25) AE13(125,25) AE14(135,25) AE15(145,25) AE16(155,25) AE17(165,25) AE18(175,25) AE19(185,25) AE20(195,25) AE21(205,25) AE22(215,25) AE23(225,25) AE24(235,25) AE25(245,25) AE26(255,25) AE27(265,25) AE28(275,25) AE29(285,25) AE30(295,25) AF1(5,15) AF2(15,15) AF3(25,15) AF4(35,15) AF5(45,15) AF6(55,15) AF7(65,15) AF8(75,15) AF9(85,15) AF10(95,15) AF11(105,15) AF12(115,15) AF13(125,15) AF14(135,15) AF15(145,15) AF16(155,15) AF17(165,15) AF18(175,15) AF19(185,15) AF20(195,15) AF21(205,15) AF22(215,15) AF23(225,15) AF24(235,15) AF25(245,15) AF26(255,15) AF27(265,15) AF28(275,15) AF29(285,15) AF30(295,15) AG1(5,5) AG2(15,5) AG3(25,5) AG4(35,5) AG5(45,5) AG6(55,5) AG7(65,5) AG8(75,5) AG9(85,5) AG10(95,5) AG11(105,5) AG12(115,5) AG13(125,5) AG14(135,5) AG15(145,5) AG16(155,5) AG17(165,5) AG18(175,5) AG19(185,5) AG20(195,5) AG21(205,5) AG22(215,5) AG23(225,5) AG24(235,5) AG25(245,5) AG26(255,5) AG27(265,5) AG28(275,5) AG29(285,5) AG30(295,5) B1(5,285) B2(15,285) B3(25,285) B4(35,285) B5(45,285) B6(55,285) B7(65,285) B8(75,285) B9(85,285) B10(95,285) B11(105,285) B12(115,285) B13(125,285) B14(135,285) B15(145,285) B16(155,285) B17(165,285) B18(175,285) B19(185,285) B20(195,285) B21(205,285) B22(215,285) B23(225,285) B24(235,285) B25(245,285) B26(255,285) B27(265,285) B28(275,285) B29(285,285) B30(295,285) C1(5,275) C2(15,275) C3(25,275) C4(35,275) C5(45,275) C6(55,275) C7(65,275) C8(75,275) C9(85,275) C10(95,275) C11(105,275) C12(115,275) C13(125,275) C14(135,275) C15(145,275) C16(155,275) C17(165,275) C18(175,275) C19(185,275) C20(195,275) C21(205,275) C22(215,275) C23(225,275) C24(235,275) C25(245,275) C26(255,275) C27(265,275) C28(275,275) C29(285,275) C30(295,275) D1(5,265) D2(15,265) D3(25,265) D4(35,265) D5(45,265) D6(55,265) D7(65,265) D8(75,265) D9(85,265) D10(95,265) D11(105,265) D12(115,265) D13(125,265) D14(135,265) D15(145,265) D16(155,265) D17(165,265) D18(175,265) D19(185,265) D20(195,265) D21(205,265) D22(215,265) D23(225,265) D24(235,265) D25(245,265) D26(255,265) D27(265,265) D28(275,265) D29(285,265) D30(295,265) E1(5,255) E2(15,255) E3(25,255) E4(35,255) E5(45,255) E6(55,255) E7(65,255) E8(75,255) E9(85,255) E10(95,255) E11(105,255) E12(115,255) E13(125,255) E14(135,255) E15(145,255) E16(155,255) E17(165,255) E18(175,255) E19(185,255) E20(195,255) E21(205,255) E22(215,255) E23(225,255) E24(235,255) E25(245,255) E26(255,255) E27(265,255) E28(275,255) E29(285,255) E30(295,255) F1(5,245) F2(15,245) F3(25,245) F4(35,245) F5(45,245) F6(55,245) F7(65,245) F8(75,245) F9(85,245) F10(95,245) F11(105,245) F12(115,245) F13(125,245) F14(135,245) F15(145,245) F16(155,245) F17(165,245) F18(175,245) F19(185,245) F20(195,245) F21(205,245) F22(215,245) F23(225,245) F24(235,245) F25(245,245) F26(255,245) F27(265,245) F28(275,245) F29(285,245) F30(295,245) G1(5,235) G2(15,235) G3(25,235) G4(35,235) G5(45,235) G6(55,235) G7(65,235) G8(75,235) G9(85,235) G10(95,235) G11(105,235) G12(115,235) G13(125,235) G14(135,235) G15(145,235) G16(155,235) G17(165,235) G18(175,235) G19(185,235) G20(195,235) G21(205,235) G22(215,235) G23(225,235) G24(235,235) G25(245,235) G26(255,235) G27(265,235) G28(275,235) G29(285,235) G30(295,235) H1(5,225) H2(15,225) H3(25,225) H4(35,225) H5(45,225) H6(55,225) H7(65,225) H8(75,225) H9(85,225) H10(95,225) H11(105,225) H12(115,225) H13(125,225) H14(135,225) H15(145,225) H16(155,225) H17(165,225) H18(175,225) H19(185,225) H20(195,225) H21(205,225) H22(215,225) H23(225,225) H24(235,225) H25(245,225) H26(255,225) H27(265,225) H28(275,225) H29(285,225) H30(295,225) J1(5,215) J2(15,215) J3(25,215) J4(35,215) J5(45,215) J6(55,215) J7(65,215) J8(75,215) J9(85,215) J10(95,215) J11(105,215) J12(115,215) J13(125,215) J14(135,215) J15(145,215) J16(155,215) J17(165,215) J18(175,215) J19(185,215) J20(195,215) J21(205,215) J22(215,215) J23(225,215) J24(235,215) J25(245,215) J26(255,215) J27(265,215) J28(275,215) J29(285,215) J30(295,215) K1(5,205) K2(15,205) K3(25,205) K4(35,205) K5(45,205) K6(55,205) K7(65,205) K8(75,205) K9(85,205) K10(95,205) K11(105,205) K12(115,205) K13(125,205) K14(135,205) K15(145,205) K16(155,205) K17(165,205) K18(175,205) K19(185,205) K20(195,205) K21(205,205) K22(215,205) K23(225,205) K24(235,205) K25(245,205) K26(255,205) K27(265,205) K28(275,205) K29(285,205) K30(295,205) L1(5,195) L2(15,195) L3(25,195) L4(35,195) L5(45,195) L6(55,195) L7(65,195) L8(75,195) L9(85,195) L10(95,195) L11(105,195) L12(115,195) L13(125,195) L14(135,195) L15(145,195) L16(155,195) L17(165,195) L18(175,195) L19(185,195) L20(195,195) L21(205,195) L22(215,195) L23(225,195) L24(235,195) L25(245,195) L26(255,195) L27(265,195) L28(275,195) L29(285,195) L30(295,195) M1(5,185) M2(15,185) M3(25,185) M4(35,185) M5(45,185) M6(55,185) M7(65,185) M8(75,185) M9(85,185) M10(95,185) M11(105,185) M12(115,185) M13(125,185) M14(135,185) M15(145,185) M16(155,185) M17(165,185) M18(175,185) M19(185,185) M20(195,185) M21(205,185) M22(215,185) M23(225,185) M24(235,185) M25(245,185) M26(255,185) M27(265,185) M28(275,185) M29(285,185) M30(295,185) N1(5,175) N2(15,175) N3(25,175) N4(35,175) N5(45,175) N6(55,175) N7(65,175) N8(75,175) N9(85,175) N10(95,175) N11(105,175) N12(115,175) N13(125,175) N14(135,175) N15(145,175) N16(155,175) N17(165,175) N18(175,175) N19(185,175) N20(195,175) N21(205,175) N22(215,175) N23(225,175) N24(235,175) N25(245,175) N26(255,175) N27(265,175) N28(275,175) N29(285,175) N30(295,175) P1(5,165) P2(15,165) P3(25,165) P4(35,165) P5(45,165) P6(55,165) P7(65,165) P8(75,165) P9(85,165) P10(95,165) P11(105,165) P12(115,165) P13(125,165) P14(135,165) P15(145,165) P16(155,165) P17(165,165) P18(175,165) P19(185,165) P20(195,165) P21(205,165) P22(215,165) P23(225,165) P24(235,165) P25(245,165) P26(255,165) P27(265,165) P28(275,165) P29(285,165) P30(295,165) Q1(5,155) Q2(15,155) Q3(25,155) Q4(35,155) Q5(45,155) Q6(55,155) Q7(65,155) Q8(75,155) Q9(85,155) Q10(95,155) Q11(105,155) Q12(115,155) Q13(125,155) Q14(135,155) Q15(145,155) Q16(155,155) Q17(165,155) Q18(175,155) Q19(185,155) Q20(195,155) Q21(205,155) Q22(215,155) Q23(225,155) Q24(235,155) Q25(245,155) Q26(255,155) Q27(265,155) Q28(275,155) Q29(285,155) Q30(295,155) R1(5,145) R2(15,145) R3(25,145) R4(35,145) R5(45,145) R6(55,145) R7(65,145) R8(75,145) R9(85,145) R10(95,145) R11(105,145) R12(115,145) R13(125,145) R14(135,145) R15(145,145) R16(155,145) R17(165,145) R18(175,145) R19(185,145) R20(195,145) R21(205,145) R22(215,145) R23(225,145) R24(235,145) R25(245,145) R26(255,145) R27(265,145) R28(275,145) R29(285,145) R30(295,145) S1(5,135) S2(15,135) S3(25,135) S4(35,135) S5(45,135) S6(55,135) S7(65,135) S8(75,135) S9(85,135) S10(95,135) S11(105,135) S12(115,135) S13(125,135) S14(135,135) S15(145,135) S16(155,135) S17(165,135) S18(175,135) S19(185,135) S20(195,135) S21(205,135) S22(215,135) S23(225,135) S24(235,135) S25(245,135) S26(255,135) S27(265,135) S28(275,135) S29(285,135) S30(295,135) T1(5,125) T2(15,125) T3(25,125) T4(35,125) T5(45,125) T6(55,125) T7(65,125) T8(75,125) T9(85,125) T10(95,125) T11(105,125) T12(115,125) T13(125,125) T14(135,125) T15(145,125) T16(155,125) T17(165,125) T18(175,125) T19(185,125) T20(195,125) T21(205,125) T22(215,125) T23(225,125) T24(235,125) T25(245,125) T26(255,125) T27(265,125) T28(275,125) T29(285,125) T30(295,125) U1(5,115) U2(15,115) U3(25,115) U4(35,115) U5(45,115) U6(55,115) U7(65,115) U8(75,115) U9(85,115) U10(95,115) U11(105,115) U12(115,115) U13(125,115) U14(135,115) U15(145,115) U16(155,115) U17(165,115) U18(175,115) U19(185,115) U20(195,115) U21(205,115) U22(215,115) U23(225,115) U24(235,115) U25(245,115) U26(255,115) U27(265,115) U28(275,115) U29(285,115) U30(295,115) V1(5,105) V2(15,105) V3(25,105) V4(35,105) V5(45,105) V6(55,105) V7(65,105) V8(75,105) V9(85,105) V10(95,105) V11(105,105) V12(115,105) V13(125,105) V14(135,105) V15(145,105) V16(155,105) V17(165,105) V18(175,105) V19(185,105) V20(195,105) V21(205,105) V22(215,105) V23(225,105) V24(235,105) V25(245,105) V26(255,105) V27(265,105) V28(275,105) V29(285,105) V30(295,105) W1(5,95) W2(15,95) W3(25,95) W4(35,95) W5(45,95) W6(55,95) W7(65,95) W8(75,95) W9(85,95) W10(95,95) W11(105,95) W12(115,95) W13(125,95) W14(135,95) W15(145,95) W16(155,95) W17(165,95) W18(175,95) W19(185,95) W20(195,95) W21(205,95) W22(215,95) W23(225,95) W24(235,95) W25(245,95) W26(255,95) W27(265,95) W28(275,95) W29(285,95) W30(295,95) Y1(5,85) Y2(15,85) Y3(25,85) Y4(35,85) Y5(45,85) Y6(55,85) Y7(65,85) Y8(75,85) Y9(85,85) Y10(95,85) Y11(105,85) Y12(115,85) Y13(125,85) Y14(135,85) Y15(145,85) Y16(155,85) Y17(165,85) Y18(175,85) Y19(185,85) Y20(195,85) Y21(205,85) Y22(215,85) Y23(225,85) Y24(235,85) Y25(245,85) Y26(255,85) Y27(265,85) Y28(275,85) Y29(285,85) Y30(295,85) Z1(5,75) Z2(15,75) Z3(25,75) Z4(35,75) Z5(45,75) Z6(55,75) Z7(65,75) Z8(75,75) Z9(85,75) Z10(95,75) Z11(105,75) Z12(115,75) Z13(125,75) Z14(135,75) Z15(145,75) Z16(155,75) Z17(165,75) Z18(175,75) Z19(185,75) Z20(195,75) Z21(205,75) Z22(215,75) Z23(225,75) Z24(235,75) Z25(245,75) Z26(255,75) Z27(265,75) Z28(275,75) Z29(285,75) Z30(295,75)